# Altium PCB RFFE.PcbDoc (part 2 of 7) (continued)
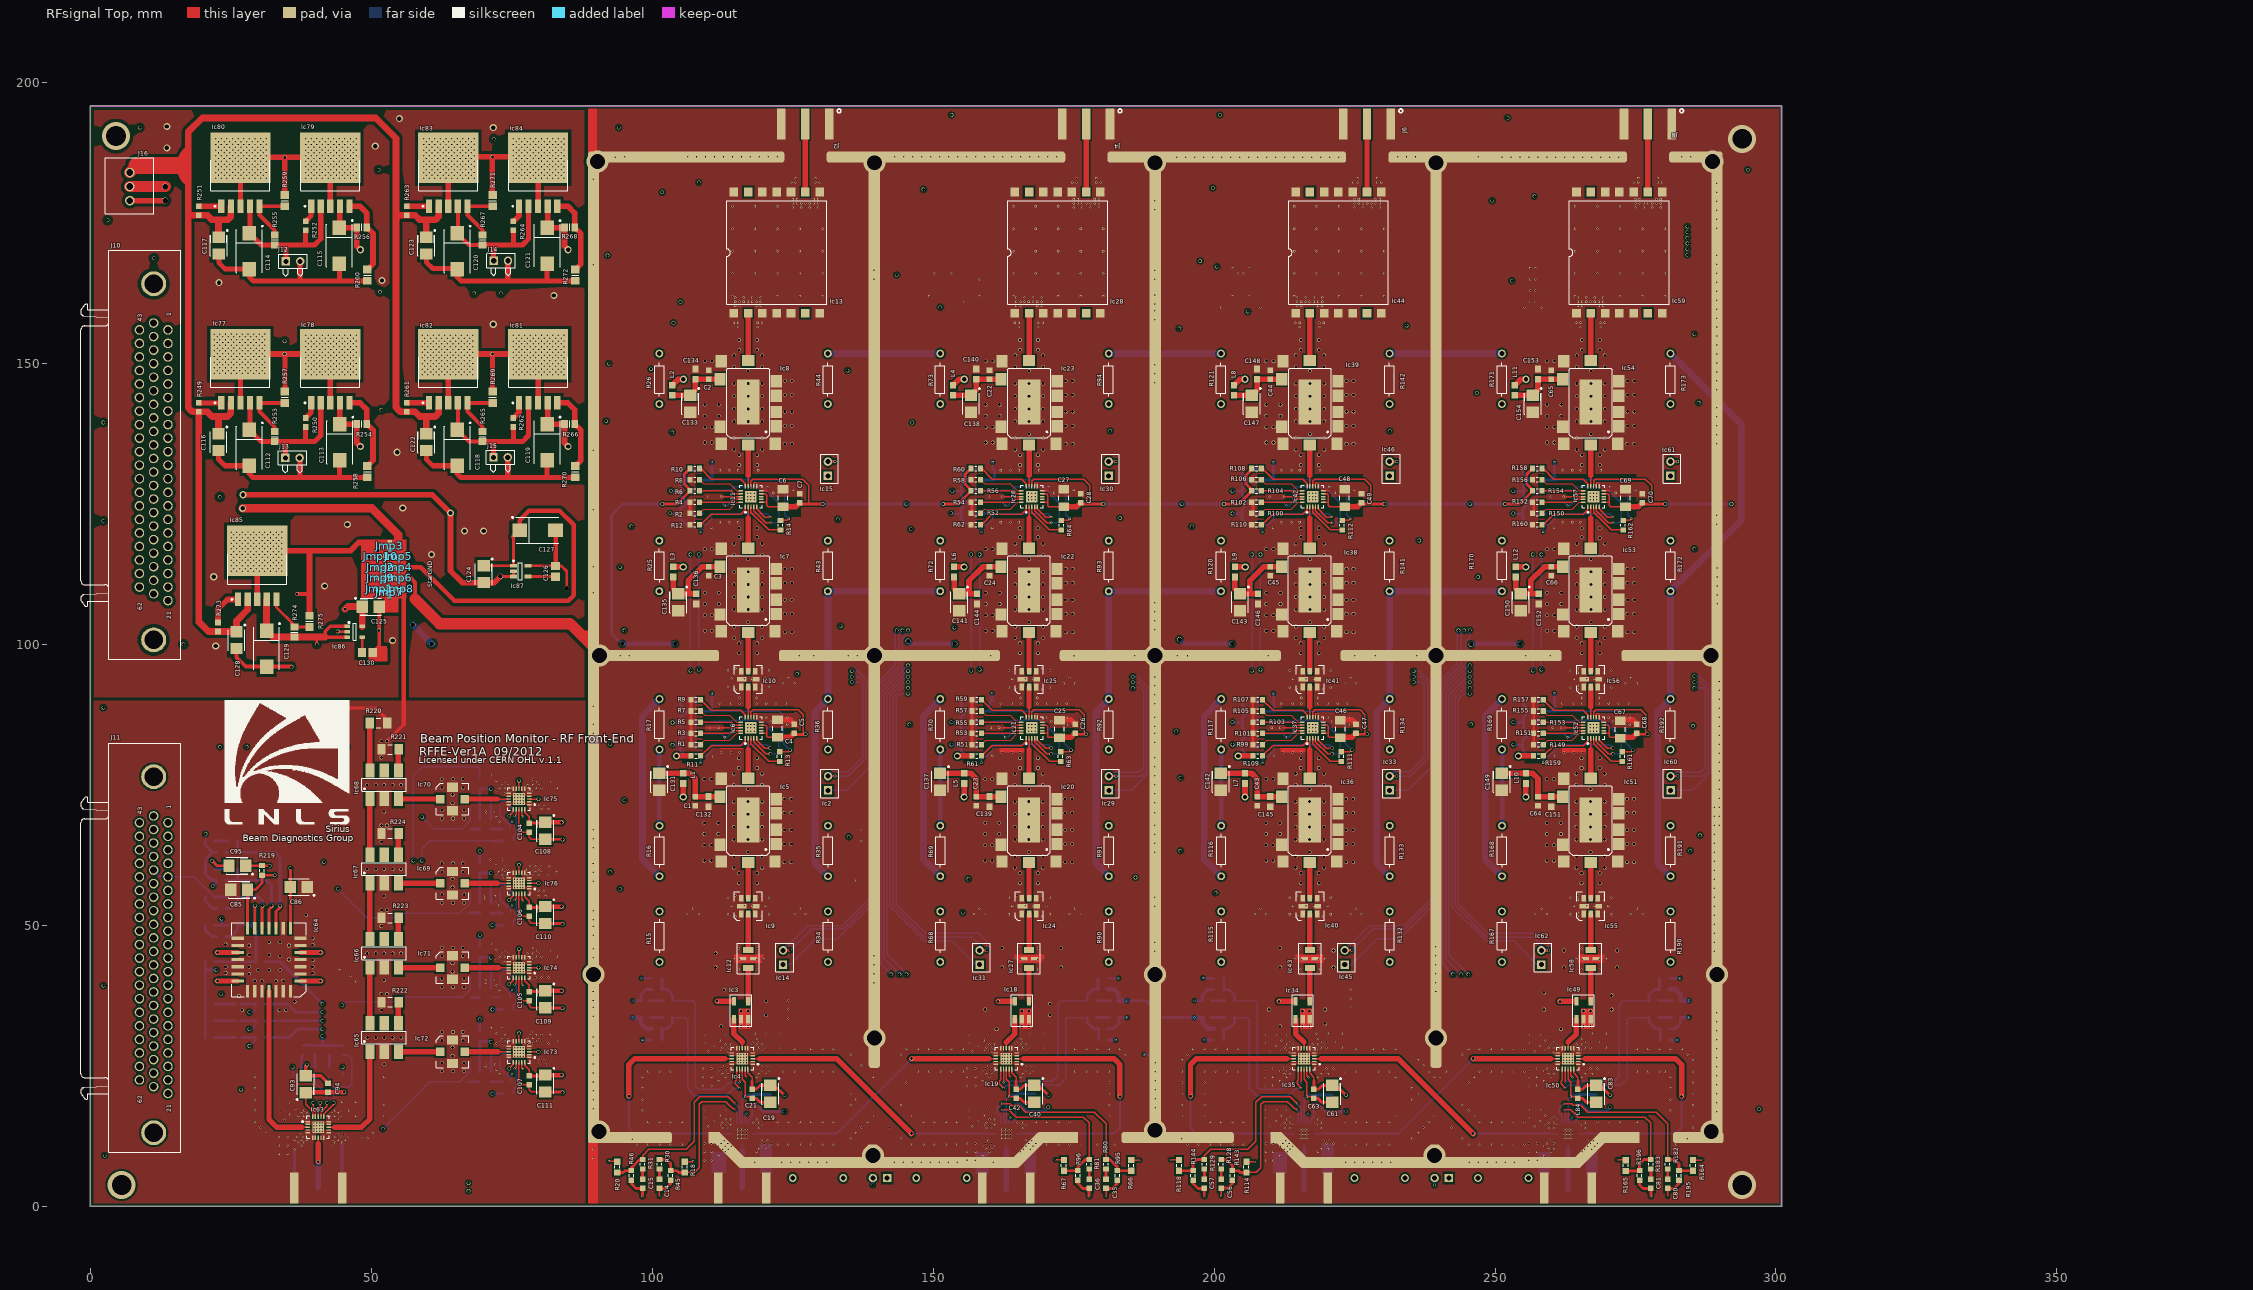
[diagram p0: RFsignal Top view]
## Nets (pads, with @x,y where several pads share a name; then routed paths per layer and width w, separated by ;. In a path a pad name is that pad's centre, name@x,y a point inside that pad or via, vN(x,y) a via of type N, cw(c..) or ccw(c..) an arc to the next point about the centre after c; other vN are vias at no path point) (continued)
  Supply w0.8: v7(60.75,100.1) 62.323,101.673 93.043,101.673 v7(94.613,100.103) ; 96.5,31.724 v3(96.5,33.55) ; v7(104.05,100.1) 105.5,100.1 108.15,100.1 111.15,97.1 121.75,97.1 125.9,101.25 142.5,101.25 ; v2(145.21,124.97) 142.64,122.4 142.5,122.4 142.5,101.25 ; v7(145.5,100.6) 143.15,100.6 142.5,101.25 ; v7(153.85,100.1) 160.75,100.1 163.65,97.2 171.3,97.2 174.95,100.85 v7(193.85,100.85) ; v7(203.2,100.1) 209.35,100.1 212.3,97.15 221.2,97.15 225.679,101.629 242.121,101.629 ; v2(245.56,124.97) 242.121,121.531 242.121,101.629 ; v7(245.75,100) 243.75,100 242.121,101.629 ; v7(254.5,100.1) 259.9,100.1 262.95,97.05 271.2,97.05 274.25,100.1 285.5,100.1 290.85,105.45 290.85,123.75 v2(292.1,125)
  Supply w1.2: v2(45.25,106.25) 45.575,105.925 54.925,105.925 v7(57.35,103.5)
  RFsignal Bottom w0.254: Ic1.20@117,14.745 117,15.15 117.75,15.9 C20.1@117.75,18.2 ; Ic17.20@164,14.745 164.717,15.462 C41.1@164.717,18.2 ; Ic32.20@217,14.745 217,15.15 217.75,15.9 C62.1@217.75,18.2 ; Ic47.20@264,14.745 264.717,15.462 C82.1@264.717,18.2
  RFsignal Bottom w0.508: v7@94.554,100.1 92.7,101.954 92.7,123 94.7,125 v2(101.75,125) ; C20.1@117.75,18.2 118.45,18.2 119.8,16.85 v9(123.503,16.85) ; v2(130.3,125) v2(151.75,125) ; C41.1@164.717,18.2 165.417,18.2 166.767,16.85 169.72,16.85 v9(170.47,17.6) ; v2(180.3,125) v2(201.75,125) ; v3(184.5,36.55) 187.92,36.55 189.46,35.01 ; v3(187.5,27) 188.46,27 189.46,28 189.46,35.01 ; v3(196.5,33.55) 190.92,33.55 189.46,35.01 ; C62.1@217.747,18.2 218.447,18.2 219.797,16.85 v9(223.5,16.85) ; v2(230.3,125) v2(251.75,125) ; C82.1@264.717,18.2 265.417,18.2 266.767,16.85 269.72,16.85 v9(270.47,17.6) ; v2(280.3,125) v2(292.1,125)
  RFsignal Bottom w0.8: v7@94.554,100.1 v7(104.05,100.1) ; v3@96.52,33.57 C16.1@97.95,33.57 97.95,32.55 98.93,31.57 R47.1@99.9,31.57 ; v7(145.5,100.6) 146,100.1 v7(153.85,100.1) ; R98.1@181.1,38.57 182.18,38.57 183.05,37.7 C38.1@183.05,36.57 v3@184.48,36.57 ; v7(193.85,100.85) 194.6,100.1 v7(203.2,100.1) ; v3@196.52,33.57 C58.1@197.95,33.57 197.95,32.55 198.93,31.57 R145.1@199.9,31.57 ; v7@245.85,100.1 v7(254.5,100.1) ; R194.2@281.1,38.57 282.18,38.57 283.05,37.7 C76.1@283.05,36.57 v3@284.48,36.57
  RFsignal Bottom w1.2: v7(57.35,103.5) v7(60.75,100.1)
  other v2: 127.25,84
A+5V: C113.1 Ic78.4 L1.2 L2.1 L3.2 R254.1 | length 181.1
  RFsignal Top w1: Ic78.4@44.35,142.998 C113.1@44.35,139.2 R254.1@47.35,139.2 ; R254.1@47.35,139.25 R254.1@47.35,139.2 ; v5(48,135.25) 47.35,135.9 R254.1@47.35,139.2 ; L2.1@103.53,146.14 104.59,147.2 v5(105.5,147.2) ; L3.2@103.7,113.8 v12@105.48,113.8 ; v5(105.49,72.84) L1.2@105.49,75.24
  Supply w1: v5(48,135.25) 48,120.95 50.55,118.4 98,118.4 ; 97.994,113.189 ccw(c97.895,113.795) 98,114.4 ; 98,117.6 cw(c98.8,118.4) 98,119.2 ; v5(105.49,72.84) 100.16,72.84 98,75 98,113.79 ; v12(105.49,113.79) 98,113.79 ; v5(105.5,147.2) 99.75,147.2 98,145.45 98,118.4 ; 98,113.79 98,118.4
B+5V: C115.1 Ic79.4 L7.2 L8.1 L9.2 R256.1 | length 296.6
  RFsignal Top w1: Ic79.4@44.35,177.998 44.35,174.2 47.35,174.2 47.35,170.9 v5(48,170.25) ; L8.1@203.53,146.14 204.59,147.2 v5(205.5,147.2) ; L9.2@203.71,113.81 v5@205.49,113.81 ; v5(205.49,72.84) L7.2@205.49,75.24
  Supply w1: v5(48,170.25) 48,164.35 51.85,160.5 85.55,160.5 93.05,168 193.75,168 197.55,164.2 197.55,75.1 199.81,72.84 v5(205.49,72.84) ; 197.544,113.189 ccw(c197.445,113.795) 197.55,114.4 ; 197.544,146.589 ccw(c197.445,147.195) 197.55,147.8 ; 197.56,113.79 v5(205.53,113.79) ; 197.65,147.2 v5(205.5,147.2)
C+5V: C119.1 Ic81.4 L4.1 L5.2 L6.2 R266.1 | length 209.4
  RFsignal Top w1: C119.1@81.35,139.2 84.35,139.2 84.35,135.9 v5(85,135.25) ; C119.1@81.352,139.302 Ic81.4@81.352,143 ; L4.1@153.53,146.14 154.59,147.2 v5(155.5,147.2) ; L6.2@153.71,113.81 v5@155.49,113.81 ; v5(155.49,72.84) L5.2@155.49,75.24
  Supply w1: v5(85,135.25) 87.322,137.572 87.322,153.073 93.15,158.9 146.1,158.9 147.9,157.1 147.9,74.7 149.76,72.84 v5(155.49,72.84) ; 147.9,147.2 v5(155.5,147.2) ; 147.94,113.79 v5(155.49,113.79) ; 147.994,146.549 ccw(c147.895,147.155) 148,147.76 ; 148.094,113.189 ccw(c147.995,113.795) 148.1,114.4
D+5V: C121.1 Ic84.4 L10.2 L11.1 L12.2 R268.1 | length 308
  RFsignal Top w1: C121.1@81.35,174.2 84.35,174.2 84.35,170.9 v5(85,170.25) ; C121.1@81.352,174.302 Ic84.4@81.352,178 ; L11.1@253.53,146.14 254.59,147.2 v5(255.5,147.2) ; v5(255.49,72.84) L10.2@255.49,75.24 ; L12.2@253.71,113.81 255.49,113.81 L12.2@253.71,113.81
  Supply w1: v5(85,170.25) 90.85,176.1 243.45,176.1 248.75,170.8 248.75,74.9 250.81,72.84 v5(255.49,72.84) ; 248.744,113.189 ccw(c248.645,113.795) 248.75,114.4 ; 248.75,147.2 v5(255.5,147.2) ; 248.84,113.79 v5(255.49,113.79) ; 248.844,146.589 ccw(c248.745,147.195) 248.85,147.8
DGND: C8.2 C9.2 C10.2 C11.2 C12.2 C13.2 C15.1 C17.1 C29.2 C30.2 C31.2 C32.2 C33.2 C34.2 C35.1 C37.1 C50.2 C51.2 C52.2 C53.2 C54.2 C55.2 C57.1 C59.1 C72.2 C73.2 C74.2 C75.1 C77.2 C78.2 C79.2 C80.1 C87.2 C88.2 C89.2 C95.2 C96.2 C97.2 C98.2 C99.2 C100.2 C101.2 C102.2 C103.2 Ic1.19 Ic4.19 Ic17.19 Ic19.19 Ic32.19 Ic35.19 Ic47.19 Ic50.19 Ic63.19 Ic73.19 Ic74.19 Ic75.19 Ic76.19 J11.5 J11.9 J11.10 J11.11 J11.12 J11.13 J11.14 J11.18 J11.26 J11.30 J11.31 J11.32 J11.33 J11.34 J11.35 J11.39 J11.63 J11.64 Jmp5.1 R37.1 R38.1 R39.1 R40.1 R41.1 R42.1 R46.1 R48.1 R84.1 R85.1 R86.1 R87.1 R88.1 R89.1 R95.1 R97.1 R135.1 R136.1 R137.1 R138.1 R139.1 R140.1 R144.1 R146.1 R184.1 R185.1 R186.1 R187.1 R188.1 R189.1 R193.2 R195.2 R213.1 R214.1 R215.1 R241.1 R242.1 R243.1 R244.1 R245.1 R246.1 R247.1 R248.1 | length 336.9
  RFsignal Top w0.254: v2(39.65,18.4) 39.65,17.6 39.998,17.252 Ic63.19@39.998,15.895 ; Ic73.19@76.74,25.625 76.74,24.62 v3(76.98,24.38) ; Ic74.19@76.74,40.625 76.74,39.62 v3(76.98,39.38) ; Ic76.19@76.74,55.625 76.74,54.62 v3(76.98,54.38) ; Ic75.19@76.74,70.625 76.74,69.62 v3(76.98,69.38) ; Ic4.19@116.5,24.405 116.5,23.2 v3(116.8,22.9) ; Ic19.19@163.5,24.405 163.5,23.2 v3(163.8,22.9) ; v3(180.75,1.75) C35.1@180.75,3.15 ; Ic35.19@216.5,24.405 216.5,23.2 v3(216.8,22.9) ; Ic50.19@263.5,24.405 263.5,23.2 v3(263.8,22.9) ; v3(280.75,1.75) C80.1@280.75,3.15
  RFsignal Top w0.508: v2(21.625,61.475) 22.5,60.6 C95.2@24.6,60.6 ; Jmp5.1@55.5,115.65 v2(56.57,115.65) ; R46.1@96.25,4.6 96.25,3.99 97.09,3.15 C15.1@98.25,3.15 v3(98.25,1.75) ; C35.1@180.75,3.15 181.9,3.15 182.75,4 R95.1@182.75,4.6 ; R144.1@196.25,4.6 196.25,4 197.1,3.15 C57.1@198.25,3.15 v3(198.25,1.75) ; C80.1@280.75,3.15 281.9,3.15 282.75,4 R195.2@282.75,4.6
  RFsignal Bottom w0.254: J11.26@11.21,59.815 12.415,58.61 J11.5@13.75,58.61 18.44,58.61 C89.2@22.05,55 ; v2(44,56.5) 49.13,51.37 54.39,51.37 55.17,52.15 C102.2@65.7,52.15 67.6,54.05 R247.1@67.6,56.1 ; v2(44.75,35.75) 45.39,36.39 54.12,36.39 54.88,37.15 C98.2@66.1,37.15 67.6,38.65 R243.1@67.6,41.1 ; v2(52,13.75) 60.4,22.15 C96.2@65.7,22.15 67.6,24.05 R241.1@67.6,26.1 ; v2(59,69.25) 61.1,67.15 C100.2@66.1,67.15 67.6,68.65 R245.1@67.6,71.1 ; R242.1@72.9,26.1 72.9,24.5 74.2,23.2 74.8,23.2 ; R244.1@72.9,41.1 72.9,39.5 74.2,38.2 74.7,38.2 ; R248.1@72.9,56.1 72.9,54.5 74.1,53.3 74.8,53.3 ; R246.1@72.9,71.1 72.9,69.5 74.2,68.2 74.7,68.2 ; C99.2@74.7,37.15 74.7,38.2 ; C101.2@74.7,67.15 74.7,68.2 ; C97.2@74.8,22.15 74.8,23.2 ; C103.2@74.8,52.15 74.8,53.3 ; v3(75,23.5) 74.8,23.3 74.8,23.2 ; v3(75,38.5) 74.7,38.2 ; v3(75,53.5) 74.8,53.3 ; v3(75,68.5) 74.7,68.2 ; Ic1.19@116.5,14.745 116.5,16.25 v3(116.75,16.5) ; Ic17.19@163.5,14.745 163.5,15.496 v3(163.753,15.749) ; R137.1@206.9,80.15 R137.1@206.95,80.1 ; Ic32.19@216.5,14.745 216.5,16.25 v3(216.75,16.5) ; Ic47.19@263.5,14.745 263.5,15.496 v3(263.753,15.749)
  RFsignal Bottom w0.508: C89.2@22.05,55 R215.1@24.4,55 ; R214.1@37.86,28.63 39.92,28.63 C88.2@39.93,28.62 42.47,28.62 42.51,28.58 R213.1@44.8,28.58 ; 41.25,28.67 v2(41.25,30.25) ; v3@96.52,36.57 C17.1@97.95,36.57 97.95,37.65 98.87,38.57 R48.1@99.9,38.57 ; v2(103.57,82.1) C10.2@104.95,82.1 ; v2(103.57,86.1) C9.2@105.05,86.1 ; 103.57,123.27 C13.2@104.95,123.27 ; 103.57,127.27 C12.2@105.05,127.27 ; C8.2@105.05,90.1 105.05,89.15 106.1,88.1 ; C11.2@105.05,131.27 105.05,130.32 106.1,129.27 ; R42.1@106.85,121.32 105.994,121.32 104.95,122.364 C13.2@104.95,123.27 ; R39.1@106.9,80.1 106.85,80.15 105.994,80.15 104.95,81.194 C10.2@104.95,82.1 ; R38.1@106.9,84.1 106.1,84.1 ; R37.1@106.9,88.1 106.1,88.1 ; R41.1@106.9,125.27 106.1,125.27 ; R40.1@106.9,129.27 106.1,129.27 ; v2@153.47,82.1 C31.2@154.85,82.1 ; v2@153.47,86.1 C30.2@154.95,86.1 ; 153.57,123.27 C34.2@154.95,123.27 ; v2@153.57,127.27 C33.2@155.05,127.27 ; C29.2@154.95,90.1 154.95,89.15 156,88.1 ; C32.2@155.05,131.27 155.05,130.32 156.1,129.27 ; R86.1@156.75,80.15 155.894,80.15 154.85,81.194 C31.2@154.85,82.1 ; R85.1@156.8,84.1 156,84.1 ; R84.1@156.8,88.1 156,88.1 ; R89.1@156.85,121.32 155.994,121.32 154.95,122.364 C34.2@154.95,123.27 ; R88.1@156.9,125.27 156.1,125.27 ; R87.1@156.9,129.27 156.1,129.27 ; R97.1@181.1,31.57 182.07,31.57 183.05,32.55 C37.1@183.05,33.57 v3@184.48,33.57 ; v3@196.52,36.57 C59.1@197.95,36.57 197.95,37.65 198.87,38.57 R146.1@199.9,38.57 ; v2@203.57,82.1 C52.2@204.95,82.1 ; v2@203.57,86.1 C51.2@205.05,86.1 ; 203.57,123.27 C55.2@204.95,123.27 ; 203.57,127.27 C54.2@205.05,127.27 ; C50.2@205.05,90.1 205.05,89.15 206.1,88.1 ; C53.2@205.05,131.27 205.05,130.32 206.1,129.27 ; R137.1@206.85,80.15 205.994,80.15 204.95,81.194 C52.2@204.95,82.1 ; R140.1@206.85,121.32 205.994,121.32 204.95,122.364 C55.2@204.95,123.27 ; R136.1@206.9,84.1 206.1,84.1 ; R135.1@206.9,88.1 206.1,88.1 ; R139.1@206.9,125.27 206.1,125.27 ; R138.1@206.9,129.27 206.1,129.27 ; v2@253.57,82.1 C74.2@254.95,82.1 ; v2@253.57,86.1 C73.2@255.05,86.1 ; 253.57,123.27 C79.2@254.95,123.27 ; 253.57,127.27 C78.2@255.05,127.27 ; C72.2@255.05,90.1 255.05,89.15 256.1,88.1 ; C77.2@255.05,131.27 255.05,130.32 256.1,129.27 ; R186.1@256.85,80.15 255.994,80.15 254.95,81.194 C74.2@254.95,82.1 ; R189.1@256.85,121.32 255.994,121.32 254.95,122.364 C79.2@254.95,123.27 ; R185.1@256.9,84.1 256.1,84.1 ; R184.1@256.9,88.1 256.1,88.1 ; R188.1@256.9,125.27 256.1,125.27 ; R187.1@256.9,129.27 256.1,129.27 ; R193.2@281.1,31.57 282.07,31.57 283.05,32.55 C75.1@283.05,33.57 v3@284.48,33.57 ; C10.2@104.95,82.1 104.95,82.95 106.1,84.1 ; C13.2@104.95,123.27 104.95,124.12 106.1,125.27 ; C9.2@105.05,86.1 105.05,85.15 106.1,84.1 ; C9.2@105.05,86.1 105.05,87.05 106.1,88.1 ; C12.2@105.05,127.27 105.05,126.32 106.1,125.27 ; C12.2@105.05,127.27 105.05,128.22 106.1,129.27 ; C31.2@154.85,82.1 154.85,82.95 156,84.1 ; C30.2@154.95,86.1 154.95,85.15 156,84.1 ; C30.2@154.95,86.1 154.95,87.05 156,88.1 ; C34.2@154.95,123.27 154.95,124.12 156.1,125.27 ; C33.2@155.05,127.27 155.05,126.32 156.1,125.27 ; C33.2@155.05,127.27 155.05,128.22 156.1,129.27 ; C52.2@204.95,82.1 204.95,82.95 206.1,84.1 ; C55.2@204.95,123.27 204.95,124.12 206.1,125.27 ; C51.2@205.05,86.1 205.05,85.15 206.1,84.1 ; C51.2@205.05,86.1 205.05,87.05 206.1,88.1 ; C54.2@205.05,127.27 205.05,126.32 206.1,125.27 ; C54.2@205.05,127.27 205.05,128.22 206.1,129.27 ; C74.2@254.95,82.1 254.95,82.95 256.1,84.1 ; C79.2@254.95,123.27 254.95,124.12 256.1,125.27 ; C73.2@255.05,86.1 255.05,85.15 256.1,84.1 ; C73.2@255.05,86.1 255.05,87.05 256.1,88.1 ; C78.2@255.05,127.27 255.05,126.32 256.1,125.27 ; C78.2@255.05,127.27 255.05,128.22 256.1,129.27
  other v2: 2.5,9 26.75,20.75 23.25,37.75 2.25,39.25 94.25,56.5 186,58.5 41.5,61.25 284.75,63.25 134.96,65.74 23,81.75 27.75,81.75 45.75,81.75 153.22,82.15 203.27,82.15 253.27,82.15 285.25,85.5 153.22,86.15 203.27,86.15 253.27,86.15 2.25,88.75 285.5,117 236.5,118.5 146,120.5 96.25,121 133,122.25 183.25,122.5 203.25,123.3 253.25,123.3 103.175,123.35 153.175,123.35 153.375,127.3 203.25,127.3 253.25,127.3 103.25,127.35 103.5,137.75 181.5,138 146.25,139.5 286.25,143 246.75,144.75 134.75,148.75 99.75,149 92.25,150 285.5,155.25 234.25,156.75 103.75,157.25 206,159.25 105,161 73,162.5 253,164.75 200.5,167.25 3,175.5 249.5,179 148.25,181 199.75,181.25 108.25,182.25 94,192
  other v3: 184.5,33.55 284.55,33.6 96.5,36.55 196.5,36.55
E+5V: C85.1 C129.1 Ic64.12 Ic85.4 Ic86.1 Ic86.3 R197.1 R198.1 R199.1 R200.1 R219.1 R274.1 | length 129.4
  RFsignal Top w0.508: Ic64.12@27.93,49.48 C85.1@27.93,56.31 29.31,56.31 30.5,57.5 R219.1@30.5,58.9 v2(32.75,58.9) ; v2(40.25,100) 40.25,101.3
  RFsignal Top w0.6: Ic86.3@45.65,101.3 41.75,101.3 41.75,102.3 42.65,103.2 Ic86.1@45.65,103.2
  RFsignal Top w1.2: Ic85.4@31.3,107.948 C129.1@31.3,102.45 32.45,101.3 R274.1@36.25,101.3 40.25,101.3 41.75,101.3
  Supply w0.508: v2(22.367,42.023) 20.534,43.856 20.534,57.934 21.5,58.9 v2(32.75,58.9) 32.75,90 40.25,97.5 v2(40.25,100)
  RFsignal Bottom w0.508: R199.1@20.4,30 R200.1@20.4,33 R198.1@20.4,36 R197.1@20.4,43.5 ; 20.431,42.023 v2(22.367,42.023)
E-5V: C86.2 C126.1 C127.2 Ic64.18 Ic87.5 | length 109.9
  RFsignal Top w0.508: C86.2@35.54,56.81 v2(35.54,60.15) ; Ic64.18@35.55,49.48 C86.2@35.55,56.8 ; Ic87.5@77.85,114 C126.1@82.7,114 ; C126.1@82.75,113.95 83.811,113.95 84.75,113.011 v13(84.75,110)
  RFsignal Top w0.8: C126.1@82.75,113.95 C127.2@82.75,120.3
  Supply w0.508: v2(35.54,60.15) 42,66.61 42,84.75 61.75,104.5 83,104.5 84.75,106.25 v13(84.75,110)
GND: J16.2 Jmp1.2 Jmp2.2 Jmp3.2 Jmp4.2 Jmp5.2 Jmp6.2 Jmp7.2 Jmp8.2 Jmp9.2 Jmp10.2 | length 123.1
  RFsignal Top w0.508: Jmp1.2@52.1,109.95 Jmp7.2@53.25,109.95 ; Jmp9.2@52.3,111.85 53.25,111.85 ; Jmp2.2@52.3,113.75 53.25,113.75 ; Jmp10.2@52.3,115.65 53.25,115.65 ; Jmp6.2@54.15,111.85 53.25,111.85 ; Jmp4.2@54.15,113.75 53.25,113.75 ; Jmp5.2@54.15,115.65 53.25,115.65 ; Jmp8.2@54.4,109.95 Jmp7.2@53.25,109.95 ; 54.73,117.884 54.73,117.648 53.932,116.85 Jmp3.2@53.25,116.85 53.25,115.65 ; Jmp7.2@53.25,109.95 53.25,111.85 ; 53.25,111.85 53.25,113.75 ; 53.25,113.75 53.25,115.65
  RFsignal Top w1.5: v5(27.05,124.22) 50.08,124.22 54.73,119.57 54.73,117.884
  RFsignal Top w2: J16.2@6.95,181.5 v11(13.25,181.5)
  Supply w1.5: v11(13.25,181.5) 12.35,181.5 10.3,179.45 10.3,173.6 17.5,166.4 17.5,129.05 22.33,124.22 v5(27.05,124.22)
GNDCHA: C112.2 C113.2 C116.2 Ic77.3 Ic77.6 Ic78.3 Ic78.6 J13.2 Jmp9.1 pad.@26.65,151.65 pad.@42.65,151.65 R257.2 R258.2 | length 125.6
  RFsignal Top w0.9: C116.2@22.75,134.5 22.75,132.95 23.9,131.8 28.2,131.8 28.2,130.4 28.9,129.7 ; Ic77.3@26.65,143 Ic77.6@26.65,151.65 ; 28.95,129.7 R258.2@49.2,129.7 ; R257.2@34.55,145 v2@34.55,151.65 ; 37.24,129.74 J13.2@37.24,133.2 ; 44.25,129.75 C113.2@44.25,132.8 ; v7(49.61,111.86) Jmp9.1@50.94,111.86
  RFsignal Top w1: Ic77.6@26.65,151.7 v2(34.5,151.7) Ic78.6@42.55,151.7 ; Ic78.3@42.65,143 Ic78.6@42.65,151.65
  Supply w0.9: J13.2@37.19,133.2 37.19,121.326 46.656,111.86 v7(49.61,111.86)
  Supply w1: v2(34.5,151.7) 34.5,139.085 37.19,136.395 J13.2@37.19,133.2
  other v1: 38.25,148 39.25,148 40.25,148 41.25,148.013 42.25,148 43.25,148 44.25,148 45.25,148 46.25,148 47.25,148.013 22,148.25 23,148.25 24,148.25 25,148.263 26,148.25 27,148.25 28,148.25 29,148.25 30,148.25 31,148.263 38.75,148.5 39.75,148.5 40.75,148.5 42.75,148.5 43.75,148.5 44.75,148.5 45.75,148.5 46.75,148.5 41.75,148.513 22.5,148.75 23.5,148.75 24.5,148.75 26.5,148.75 27.5,148.75 28.5,148.75 29.5,148.75 30.5,148.75 25.5,148.763 38.25,149 39.25,149 40.25,149 42.25,149 43.25,149 44.25,149 45.25,149 46.25,149 41.25,149.013 47.25,149.013 22,149.25 23,149.25 24,149.25 25,149.263 26,149.25 27,149.25 28,149.25 29,149.25 30,149.25 31,149.263 38.75,149.5 39.75,149.5 40.75,149.5 41.75,149.513 42.75,149.5 43.75,149.5 44.75,149.5 45.75,149.5 46.75,149.5 22.5,149.75 23.5,149.75 24.5,149.75 25.5,149.763 26.5,149.75 27.5,149.75 28.5,149.75 29.5,149.75 30.5,149.75 38.25,150 39.25,150 40.25,150 42.25,150 43.25,150 44.25,150 45.25,150 46.25,150 41.25,150.013 47.25,150.013 22,150.25 23,150.25 24,150.25 26,150.25 27,150.25 28,150.25 29,150.25 30,150.25 25,150.263 31,150.263 38.75,150.5 39.75,150.5 40.75,150.5 42.75,150.5 43.75,150.5 44.75,150.5 45.75,150.5 46.75,150.5 41.75,150.513 22.5,150.75 23.5,150.75 24.5,150.75 26.5,150.75 27.5,150.75 28.5,150.75 29.5,150.75 30.5,150.75 25.5,150.763 38.25,151 39.25,151 40.25,151 41.25,151.013 42.25,151 43.25,151 44.25,151 45.25,151 46.25,151 47.25,151.013 22,151.25 23,151.25 24,151.25 25,151.263 26,151.25 27,151.25 28,151.25 29,151.25 30,151.25 31,151.263 38.75,151.5 39.75,151.5 40.75,151.5 41.75,151.513 42.75,151.5 43.75,151.5 44.75,151.5 45.75,151.5 46.75,151.5 22.5,151.75 23.5,151.75 24.5,151.75 26.5,151.75 27.5,151.75 28.5,151.75 29.5,151.75 30.5,151.75 25.5,151.763 38.25,152 39.25,152 40.25,152 42.25,152 43.25,152 44.25,152 45.25,152 46.25,152 41.25,152.013 47.25,152.013 22,152.25 23,152.25 24,152.25 26,152.25 27,152.25 28,152.25 29,152.25 30,152.25 25,152.263 31,152.263 38.75,152.5 39.75,152.5 40.75,152.5 41.75,152.513 42.75,152.5 43.75,152.5 44.75,152.5 45.75,152.5 46.75,152.5 22.5,152.75 23.5,152.75 24.5,152.75 25.5,152.763 26.5,152.75 27.5,152.75 28.5,152.75 29.5,152.75 30.5,152.75 38.25,153 39.25,153 40.25,153 41.25,153.013 42.25,153 43.25,153 44.25,153 45.25,153 46.25,153 47.25,153.013 22,153.25 23,153.25 24,153.25 26,153.25 27,153.25 28,153.25 29,153.25 30,153.25 25,153.263 31,153.263 38.75,153.5 39.75,153.5 40.75,153.5 42.75,153.5 43.75,153.5 44.75,153.5 45.75,153.5 46.75,153.5 41.75,153.513 22.5,153.75 23.5,153.75 24.5,153.75 26.5,153.75 27.5,153.75 28.5,153.75 29.5,153.75 30.5,153.75 25.5,153.763 38.25,154 39.25,154 40.25,154 41.25,154.013 42.25,154 43.25,154 44.25,154 45.25,154 46.25,154 47.25,154.013 22,154.25 23,154.25 24,154.25 25,154.263 26,154.25 27,154.25 28,154.25 29,154.25 30,154.25 31,154.263 38.75,154.5 39.75,154.5 40.75,154.5 41.75,154.513 42.75,154.5 43.75,154.5 44.75,154.5 45.75,154.5 46.75,154.5 22.5,154.75 23.5,154.75 24.5,154.75 26.5,154.75 27.5,154.75 28.5,154.75 29.5,154.75 30.5,154.75 25.5,154.763 38.25,155 39.25,155 40.25,155 42.25,155 43.25,155 44.25,155 45.25,155 46.25,155 41.25,155.013 47.25,155.013 22,155.25 23,155.25 24,155.25 26,155.25 27,155.25 28,155.25 29,155.25 30,155.25 25,155.263 31,155.263
GNDCHB: C118.2 C119.2 C122.2 Ic81.3 Ic81.6 Ic82.3 Ic82.6 J15.2 Jmp10.1 pad.@63.65,151.65 pad.@79.65,151.65 R269.2 R270.2 | length 153.6
  RFsignal Top w0.9: v7@49.61,115.65 Jmp10.1@50.95,115.65 ; C122.2@59.75,134.5 59.75,132.95 60.9,131.8 65.2,131.8 65.2,130.4 65.9,129.7 ; 65.95,129.7 R270.2@86.2,129.7 ; R269.2@71.55,145 v2@71.55,151.65 ; 74.24,129.74 J15.2@74.24,133.2 ; 81.25,129.75 C119.2@81.25,132.8
  RFsignal Top w1: Ic82.3@63.65,143 Ic82.6@63.65,151.65 ; Ic82.6@63.65,151.7 v2(71.5,151.7) Ic81.6@79.55,151.7 ; Ic81.3@79.65,143 Ic81.6@79.65,151.65
  Supply w0.9: v7(49.6,115.66) 48.23,115.66 43.14,120.75 43.14,135.63 47.34,139.83 74.22,139.83
  Supply w1: v2(71.5,151.7) 71.5,147.735 74.24,144.995 J15.2@74.24,133.3
  other v1: 59,148 60,148 61,148 62,148.013 63,148 64,148 65,148 66,148 67,148 68,148.013 75.25,148 76.25,148 77.25,148 78.25,148.013 79.25,148 80.25,148 81.25,148 82.25,148 83.25,148 84.25,148.013 59.5,148.5 60.5,148.5 61.5,148.5 63.5,148.5 64.5,148.5 65.5,148.5 66.5,148.5 67.5,148.5 75.75,148.5 76.75,148.5 77.75,148.5 79.75,148.5 80.75,148.5 81.75,148.5 82.75,148.5 83.75,148.5 62.5,148.513 78.75,148.513 59,149 60,149 61,149 63,149 64,149 65,149 66,149 67,149 75.25,149 76.25,149 77.25,149 79.25,149 80.25,149 81.25,149 82.25,149 83.25,149 62,149.013 68,149.013 78.25,149.013 84.25,149.013 59.5,149.5 60.5,149.5 61.5,149.5 62.5,149.513 63.5,149.5 64.5,149.5 65.5,149.5 66.5,149.5 67.5,149.5 75.75,149.5 76.75,149.5 77.75,149.5 78.75,149.513 79.75,149.5 80.75,149.5 81.75,149.5 82.75,149.5 83.75,149.5 59,150 60,150 61,150 63,150 64,150 65,150 66,150 67,150 75.25,150 76.25,150 77.25,150 79.25,150 80.25,150 81.25,150 82.25,150 83.25,150 62,150.013 68,150.013 78.25,150.013 84.25,150.013 59.5,150.5 60.5,150.5 61.5,150.5 63.5,150.5 64.5,150.5 65.5,150.5 66.5,150.5 67.5,150.5 75.75,150.5 76.75,150.5 77.75,150.5 79.75,150.5 80.75,150.5 81.75,150.5 82.75,150.5 83.75,150.5 62.5,150.513 78.75,150.513 59,151 60,151 61,151 62,151.013 63,151 64,151 65,151 66,151 67,151 68,151.013 75.25,151 76.25,151 77.25,151 78.25,151.013 79.25,151 80.25,151 81.25,151 82.25,151 83.25,151 84.25,151.013 59.5,151.5 60.5,151.5 61.5,151.5 62.5,151.513 63.5,151.5 64.5,151.5 65.5,151.5 66.5,151.5 67.5,151.5 75.75,151.5 76.75,151.5 77.75,151.5 78.75,151.513 79.75,151.5 80.75,151.5 81.75,151.5 82.75,151.5 83.75,151.5 59,152 60,152 61,152 63,152 64,152 65,152 66,152 67,152 75.25,152 76.25,152 77.25,152 79.25,152 80.25,152 81.25,152 82.25,152 83.25,152 62,152.013 68,152.013 78.25,152.013 84.25,152.013 59.5,152.5 60.5,152.5 61.5,152.5 62.5,152.513 63.5,152.5 64.5,152.5 65.5,152.5 66.5,152.5 67.5,152.5 75.75,152.5 76.75,152.5 77.75,152.5 78.75,152.513 79.75,152.5 80.75,152.5 81.75,152.5 82.75,152.5 83.75,152.5 59,153 60,153 61,153 62,153.013 63,153 64,153 65,153 66,153 67,153 68,153.013 75.25,153 76.25,153 77.25,153 78.25,153.013 79.25,153 80.25,153 81.25,153 82.25,153 83.25,153 84.25,153.013 59.5,153.5 60.5,153.5 61.5,153.5 63.5,153.5 64.5,153.5 65.5,153.5 66.5,153.5 67.5,153.5 75.75,153.5 76.75,153.5 77.75,153.5 79.75,153.5 80.75,153.5 81.75,153.5 82.75,153.5 83.75,153.5 62.5,153.513 78.75,153.513 59,154 60,154 61,154 62,154.013 63,154 64,154 65,154 66,154 67,154 68,154.013 75.25,154 76.25,154 77.25,154 78.25,154.013 79.25,154 80.25,154 81.25,154 82.25,154 83.25,154 84.25,154.013 59.5,154.5 60.5,154.5 61.5,154.5 62.5,154.513 63.5,154.5 64.5,154.5 65.5,154.5 66.5,154.5 67.5,154.5 75.75,154.5 76.75,154.5 77.75,154.5 78.75,154.513 79.75,154.5 80.75,154.5 81.75,154.5 82.75,154.5 83.75,154.5 59,155 60,155 61,155 63,155 64,155 65,155 66,155 67,155 75.25,155 76.25,155 77.25,155 79.25,155 80.25,155 81.25,155 82.25,155 83.25,155 62,155.013 68,155.013 78.25,155.013 84.25,155.013
GNDCHC: C114.2 C115.2 C117.2 Ic79.3 Ic79.6 Ic80.3 Ic80.6 J12.2 Jmp1.1 pad.@26.65,186.65 pad.@42.65,186.65 R259.2 R260.2 | length 166.6
  RFsignal Top w0.9: C117.2@22.8,169.5 22.8,167.95 23.95,166.8 C114.2@28.25,166.8 28.25,165.4 28.95,164.7 R260.2@49.2,164.7 ; Ic80.3@26.65,178 Ic80.6@26.65,186.65 ; 37.29,164.74 J12.2@37.29,168.2 ; 44.25,164.75 C115.2@44.25,167.8 ; v7(49.65,109.96) Jmp1.1@50.94,109.96
  RFsignal Top w1: Ic80.6@26.7,186.7 v2(34.55,186.7) ; R259.2@34.55,180.05 v2(34.55,186.7) ; Ic79.6@42.6,186.7 v2(34.55,186.7) ; Ic79.3@42.65,178 Ic79.6@42.65,186.65
  Supply w0.9: 37.29,180.04 J12.2@37.29,168.2 37.29,159.61 32.595,154.915 32.595,123.655 46.29,109.96 v7(49.65,109.96)
  Supply w1: v2(34.55,186.7) 34.55,182.78 37.29,180.04
  other v1: 22.25,183 23.25,183 24.25,183 25.25,183.013 26.25,183 27.25,183 28.25,183 29.25,183 30.25,183 31.25,183.013 38.25,183 39.25,183 40.25,183 41.25,183.013 42.25,183 43.25,183 44.25,183 45.25,183 46.25,183 47.25,183.013 22.75,183.5 23.75,183.5 24.75,183.5 26.75,183.5 27.75,183.5 28.75,183.5 29.75,183.5 30.75,183.5 38.75,183.5 39.75,183.5 40.75,183.5 42.75,183.5 43.75,183.5 44.75,183.5 45.75,183.5 46.75,183.5 25.75,183.513 41.75,183.513 22.25,184 23.25,184 24.25,184 26.25,184 27.25,184 28.25,184 29.25,184 30.25,184 38.25,184 39.25,184 40.25,184 42.25,184 43.25,184 44.25,184 45.25,184 46.25,184 25.25,184.013 31.25,184.013 41.25,184.013 47.25,184.013 22.75,184.5 23.75,184.5 24.75,184.5 25.75,184.513 26.75,184.5 27.75,184.5 28.75,184.5 29.75,184.5 30.75,184.5 38.75,184.5 39.75,184.5 40.75,184.5 41.75,184.513 42.75,184.5 43.75,184.5 44.75,184.5 45.75,184.5 46.75,184.5 22.25,185 23.25,185 24.25,185 26.25,185 27.25,185 28.25,185 29.25,185 30.25,185 38.25,185 39.25,185 40.25,185 42.25,185 43.25,185 44.25,185 45.25,185 46.25,185 25.25,185.013 31.25,185.013 41.25,185.013 47.25,185.013 22.75,185.5 23.75,185.5 24.75,185.5 26.75,185.5 27.75,185.5 28.75,185.5 29.75,185.5 30.75,185.5 38.75,185.5 39.75,185.5 40.75,185.5 42.75,185.5 43.75,185.5 44.75,185.5 45.75,185.5 46.75,185.5 25.75,185.513 41.75,185.513 22.25,186 23.25,186 24.25,186 25.25,186.013 26.25,186 27.25,186 28.25,186 29.25,186 30.25,186 31.25,186.013 38.25,186 39.25,186 40.25,186 41.25,186.013 42.25,186 43.25,186 44.25,186 45.25,186 46.25,186 47.25,186.013 22.75,186.5 23.75,186.5 24.75,186.5 26.75,186.5 27.75,186.5 28.75,186.5 29.75,186.5 30.75,186.5 38.75,186.5 39.75,186.5 40.75,186.5 42.75,186.5 43.75,186.5 44.75,186.5 45.75,186.5 46.75,186.5 25.75,186.513 41.75,186.513 22.25,187 23.25,187 24.25,187 26.25,187 27.25,187 28.25,187 29.25,187 30.25,187 38.25,187 39.25,187 40.25,187 42.25,187 43.25,187 44.25,187 45.25,187 46.25,187 25.25,187.013 31.25,187.013 41.25,187.013 47.25,187.013 22.75,187.5 23.75,187.5 24.75,187.5 25.75,187.513 26.75,187.5 27.75,187.5 28.75,187.5 29.75,187.5 30.75,187.5 38.75,187.5 39.75,187.5 40.75,187.5 41.75,187.513 42.75,187.5 43.75,187.5 44.75,187.5 45.75,187.5 46.75,187.5 22.25,188 23.25,188 24.25,188 25.25,188.013 26.25,188 27.25,188 28.25,188 29.25,188 30.25,188 31.25,188.013 38.25,188 39.25,188 40.25,188 41.25,188.013 42.25,188 43.25,188 44.25,188 45.25,188 46.25,188 47.25,188.013 22.75,188.5 23.75,188.5 24.75,188.5 26.75,188.5 27.75,188.5 28.75,188.5 29.75,188.5 30.75,188.5 38.75,188.5 39.75,188.5 40.75,188.5 42.75,188.5 43.75,188.5 44.75,188.5 45.75,188.5 46.75,188.5 25.75,188.513 41.75,188.513 22.25,189 23.25,189 24.25,189 25.25,189.013 26.25,189 27.25,189 28.25,189 29.25,189 30.25,189 31.25,189.013 38.25,189 39.25,189 40.25,189 41.25,189.013 42.25,189 43.25,189 44.25,189 45.25,189 46.25,189 47.25,189.013 22.75,189.5 23.75,189.5 24.75,189.5 25.75,189.513 26.75,189.5 27.75,189.5 28.75,189.5 29.75,189.5 30.75,189.5 38.75,189.5 39.75,189.5 40.75,189.5 41.75,189.513 42.75,189.5 43.75,189.5 44.75,189.5 45.75,189.5 46.75,189.5 22.25,190 23.25,190 24.25,190 26.25,190 27.25,190 28.25,190 29.25,190 30.25,190 38.25,190 39.25,190 40.25,190 42.25,190 43.25,190 44.25,190 45.25,190 46.25,190 25.25,190.013 31.25,190.013 41.25,190.013 47.25,190.013